# Altium PCB NANOEveryV3.0.PcbDoc (continued)
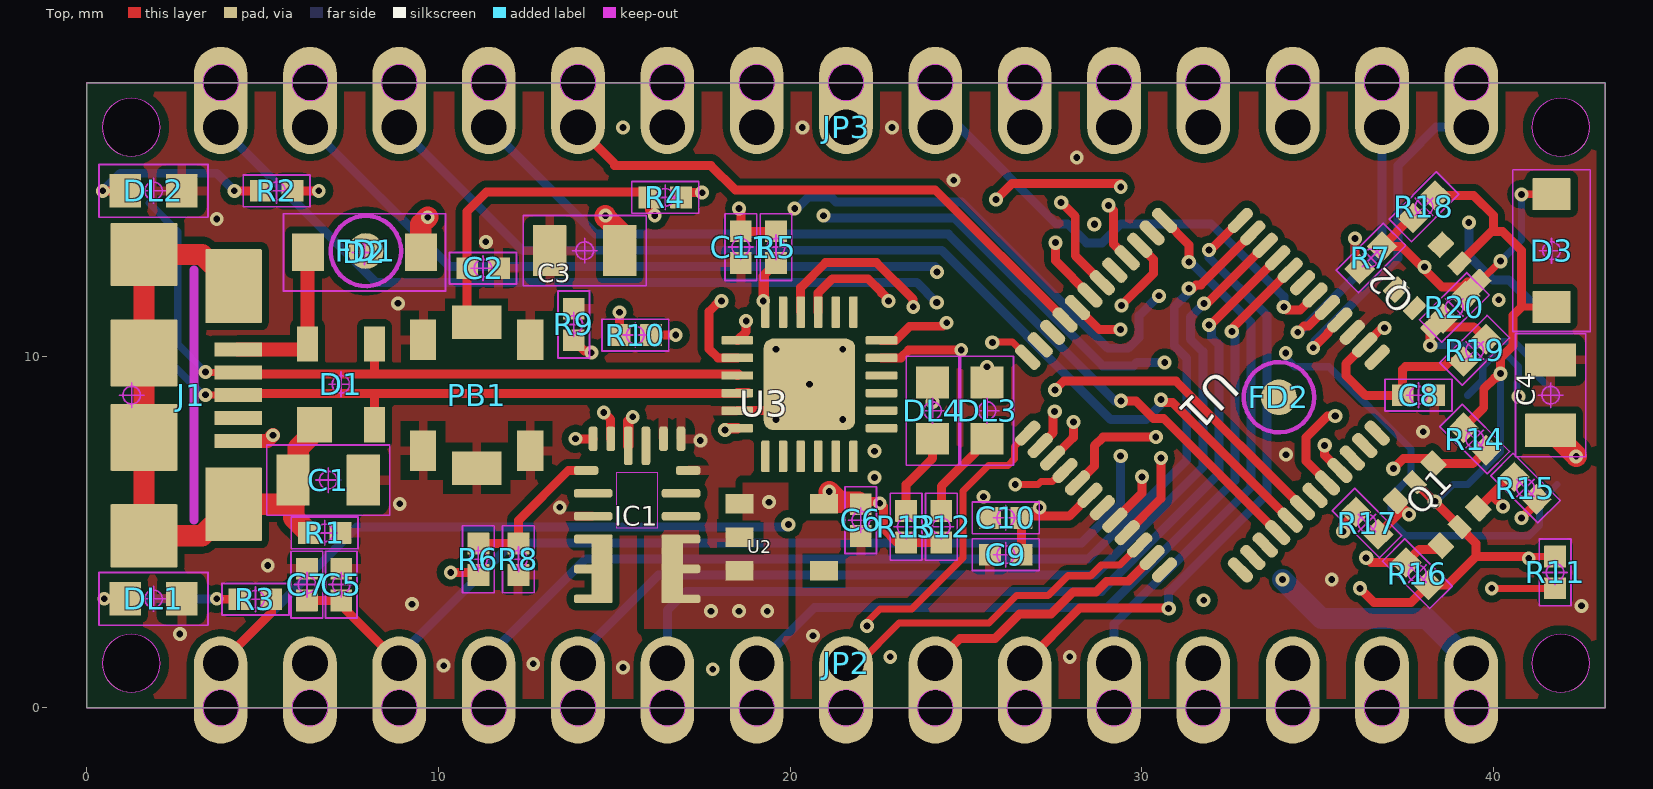
[diagram p0: Top view]
## Footprints (in the part's own frame and the unit in brackets; to place one, negate y for a bottom-side part, rotate by r counter-clockwise, add the part's x,y. Pads: shape width x height; smd on the part's side, far side on the other; paste and mask are expansions set on the pad) (continued)
FRAME [mm] "FRAME"
HVQFN24 [mm] "HVQFN24"
  rrect30% 0.24x0.9 smd paste+0 mask+0: 1(-1.25,-2.05) 2(-0.75,-2.05) 3(-0.25,-2.05) 4(0.25,-2.05) 5(0.75,-2.05) 6(1.25,-2.05) 13(1.25,2.05) 14(0.75,2.05) 15(0.25,2.05) 16(-0.25,2.05) 17(-0.75,2.05) 18(-1.25,2.05)
  rrect30% 0.9x0.24 smd paste+0 mask+0: 7(2.05,-1.25) 8(2.05,-0.75) 9(2.05,-0.25) 10(2.05,0.25) 11(2.05,0.75) 12(2.05,1.25) 19(-2.05,1.25) 20(-2.05,0.75) 21(-2.05,0.25) 22(-2.05,-0.25) 23(-2.05,-0.75) 24(-2.05,-1.25)
  rrect20% 2.6x2.6 smd paste+0 mask+0: EXP(0,0)
  body extent -2.5,-2.5 2.5,2.5, height 3.81
LEDC1608X80N-AK [mil] "LEDC1608X80N-AK"
  rrect3% 35.43x37.4 smd: A(31.5,0) C(-31.5,0)
  Top keep-out circle w1.97: c0,0 r9.84
  Top keep-out lines w1.97: 13.78,0 -13.78,0 ; 0,13.78 0,-13.78 ; 61.02,29.53 -61.02,29.53 -61.02,-29.53 61.02,-29.53 61.02,29.53
  body extent -62,-31 62,31, height 150
MPM3610 [mm] "MPM3610"
  rrect60% 0.7x0.25 smd mask+0: 1(-1.45,1.55) 4(-1.45,-0.4) 5(-1.45,-1.25) 6(-1.45,-2.1) 7(1.45,-2.1) 8(1.45,-1.25) 9(1.45,-0.4) 12(1.45,1.55)
  rrect60% 1.1x0.25 smd mask+0: 2(-1.25,0.9) 3(-1.25,0.25) 10(1.25,0.25) 11(1.25,0.9)
  rrect60% 0.25x0.7 smd mask+0: 13(1.25,2.45) 14(0.75,2.45) 17(-0.75,2.45) 18(-1.25,2.45)
  rrect60% 0.25x1.1 smd mask+0: 15(0.25,2.25) 16(-0.25,2.25)
  rrect10% 0.6x1.95 smd: 19(-1,-1.25) 20(1,-1.25)
  Top keep-out region: -0.575,-0.1 -0.575,1.5 0.575,1.5 0.575,-0.1
  body extent -1.82,-2.27 1.82,2.82, height 3.81
SODFL3517X110N [mm] "SODFL3517X110N"
  rrect2% 0.91x1.07 smd: A(1.605,0) C(-1.605,0)
  Top keep-out circle w0.05: c0,0 r0.25
  Top keep-out lines w0.05: 0.35,0 -0.35,0 ; 0,0.35 0,-0.35 ; 2.3,1.1 2.3,-1.1 -2.3,-1.1 -2.3,1.1 2.3,1.1
  body extent -2.33,-1.13 2.33,1.13, height 3.81
SOT25 [mil] "SOT25"
  rect 21.65x31.5 smd: 1(37.4,47.24) 2(0,47.24) 3(-37.4,47.24) 4(-37.4,-47.24) 5(37.4,-47.24)
  body extent -48,-63 48,63, height 50
SOT190P230X110-4N [mm] "SOT190P230X110-4N"
  rrect3% 1x1 smd: 1(-1.15,0.75)
  rrect3% 1x0.6 smd: 2(-1.15,-0.95) 3(1.15,-0.95) 4(1.15,0.95)
  Top keep-out circle w0.05: c0,0 r0.25
  Top keep-out lines w0.05: 0,0.35 0,-0.35 ; -0.35,0 0.35,0
  body extent -1.65,-1.46 1.65,1.46, height 3.81
SOT363 [mm] "SOT363"
  rrect10% 0.5x0.6 smd: 1(-0.75,-0.9) 3(0.75,-0.9) 4(0.75,0.9) 6(-0.75,0.9)
  rrect10% 0.4x0.6 smd: 2(0,-0.9) 5(0,0.9)
  body extent -1,-1.2 1,1.2, height 1.27
TP-1.00MM [mm] "TP-1.00MM"
  rrect100% 1x1 smd far side paste+0: X(0,0)
  body extent -0.51,-0.51 0.51,0.51, height 1.27
TQFP48 [mm] "TQFP48"
  rrect80% 0.85x0.32 smd: 1(-4.275,2.75) 2(-4.275,2.25) 3(-4.275,1.75) 4(-4.275,1.25) 5(-4.275,0.75) 6(-4.275,0.25) 7(-4.275,-0.25) 8(-4.275,-0.75) 9(-4.275,-1.25) 10(-4.275,-1.75) 11(-4.275,-2.25) 12(-4.275,-2.75) 25(4.275,-2.75) 26(4.275,-2.25) 27(4.275,-1.75) 28(4.275,-1.25) 29(4.275,-0.75) 30(4.275,-0.25) 31(4.275,0.25) 32(4.275,0.75) 33(4.275,1.25) 34(4.275,1.75) 35(4.275,2.25) 36(4.275,2.75)
  rrect80% 0.32x0.85 smd: 13(-2.75,-4.275) 14(-2.25,-4.275) 15(-1.75,-4.275) 16(-1.25,-4.275) 17(-0.75,-4.275) 18(-0.25,-4.275) 19(0.25,-4.275) 20(0.75,-4.275) 21(1.25,-4.275) 22(1.75,-4.275) 23(2.25,-4.275) 24(2.75,-4.275) 37(2.75,4.275) 38(2.25,4.275) 39(1.75,4.275) 40(1.25,4.275) 41(0.75,4.275) 42(0.25,4.275) 43(-0.25,4.275) 44(-0.75,4.275) 45(-1.25,4.275) 46(-1.75,4.275) 47(-2.25,4.275) 48(-2.75,4.275)
  body extent -4.71,-4.71 4.71,4.71, height 3.81
ZX62-AB-5PA [mm] "ZX62-AB-5PA"
  rrect3% 0.4x1.35 smd: 1(-1.3,3.025) 2(-0.65,3.025) 3(0,3.025) 4(0.65,3.025) 5(1.3,3.025)
  rrect3% 2.1x1.6 smd: 6(3.1,2.9) 11(-3.1,2.9)
  rrect3% 1.8x1.9 smd: 7(4,0.35) 10(-4,0.35)
  rrect3% 1.9x1.9 smd: 8(1.2,0.35) 9(-1.2,0.35)
  Top keep-out circle w0.05: c0,0 r0.25
  Top keep-out lines w0.05: 0,-0.35 0,0.35 ; 0.35,0 -0.35,0
  Top keep-out lines w0.254: 3.556,1.778 -3.556,1.778
  body extent -4.9,-2.41 4.9,3.7, height 3.81

## Part data
C1 C3 C4: library part 0805-R2013X50N, PackageName=0805-R2013X50N
C2 C5 C6 C7 C8 C9 C10 C11 R1 R2 R3 R4 R5 R6 R7 R8 R9 R10 R11 R12 R13 R14 R15 R16 R17 R18 R19 R20: library part 0402-1005X55N, PackageName=0402-1005X55N
D1: library part SOT190P230X110-4N, PackageName=SOT190P230X110-4N
D2 D3: library part SODFL3517X110N, PackageName=SODFL3517X110N
D+ D-: library part TP-1.00MM, PackageName=TP-1.00MM
DL1 DL2 DL3 DL4: library part LEDC1608X80N-AK, PackageName=LEDC1608X80N-AK
FD1 FD2: library part FD-1-1.5, PackageName=FD-1-1.5
FRAME1: library part FRAME, PackageName=FRAME
J1: library part ZX62-AB-5PA, PackageName=ZX62-AB-5PA
J2: library part 2X03-TP, PackageName=2X03-TP
JP2 JP3: library part 1X15-CASTELL, PackageName=1X15-CASTELL
PB1: library part C&K_PTS820_NO_HOLES, PackageName=C&K_PTS820_NO_HOLES
Q1 Q2: library part SOT363, PackageName=SOT363
U1: library part TQFP48, PackageName=TQFP48
U2: library part SOT25, PackageName=SOT25
U3: library part HVQFN24, PackageName=HVQFN24
IC1: PackageName=MPM3610

## Free pads (board coordinates)
  round 1.651 hole 1.651 unplated: MH1(1.27,16.51) MH2(1.27,1.27) MH3(41.91,1.27) MH4(41.91,16.51)
  round 1.016 hole 1.016 unplated: MH1(3.81,17.78) MH1(39.37,0) MH2(6.35,17.78) MH2(36.83,0) MH3(8.89,17.78) MH3(34.29,0) MH4(11.43,17.78) MH4(31.75,0) MH5(13.97,17.78) MH5(29.21,0) MH6(16.51,17.78) MH6(26.67,0) MH7(19.05,17.78) MH7(24.13,0) MH8(21.59,0) MH8(21.59,17.78) MH9(19.05,0) MH9(24.13,17.78) MH10(16.51,0) MH10(26.67,17.78) MH11(13.97,0) MH11(29.21,17.78) MH12(11.43,0) MH12(31.75,17.78) MH13(8.89,0) MH13(34.29,17.78) MH14(6.35,0) MH14(36.83,17.78) MH15(3.81,0) MH15(39.37,17.78)

## Via types
v1: diameter 0.393/0.393/0.393/0.393 (per signal layer), hole 0.19, Top to Bottom, 87 vias
v2: diameter 0.403/0.403/0.403/0.403 (per signal layer), hole 0.2, Top to Bottom, 46 vias

## Nets (pads, with @x,y where several pads share a name; then routed paths per layer and width w, separated by ;. In a path a pad name is that pad's centre, name@x,y a point inside that pad or via, vN(x,y) a via of type N, cw(c..) or ccw(c..) an arc to the next point about the centre after c; other vN are vias at no path point)
+3V3: C6.1 C11.2 D3.C J2.1 JP2.2 Q1.2 Q1.5 Q2.2 R2.2 R5.2 R11.1 R12.2 R13.2 R14.2 R16.2 R18.2 U2.5 U3.24 | length 84.5
  Top w0.203: v2@38.24,5.94 38.257,5.94 v2(38.332,5.865) ; 40.8,11.4 40.805,11.395 D3.C ; v1(41,4.25) 41.05,4.3 R11.1
  Top w0.254: R2.2 v1(6.6,14.7) ; v1(18.55,14.2) 18.6,14.15 C11.2 R5.2 ; U2.5@20.963,5.8 21.112,5.95 v1(21.112,6.15) ; C6.1@22.01,5.787 22.01,5.869 22.5,5.869 v1(22.55,5.819) 22.65,5.719 22.65,5.1 23.05,4.7 R13.2 R12.2 ; v2(36.2,3.4) 36.6,3 37.657,3 R16.2 38.696,3.497 39.5,4.3 ; Q1.5 38.24,5.94 Q1.2 39.5,4.68 39.5,4.3 ; R18.2 39.434,14.566 40,14 40,13.6 39.95,13.55 ; Q2.2 39.95,13.55 ; R14.2 39.723,8.539 39.723,9.068 40.032,9.377 40.077,9.377 v2(40.2,9.5) 40.2,9.95 40.55,10.3 40.55,11.15 40.8,11.4 40.8,13 40.25,13.55 39.95,13.55 ; v1(41,4.25) 40.95,4.3 39.5,4.3
  Top w0.305: v1(18.15,7.9) 18.1,7.9 18.15,7.95 U3.24
  Top w0.61: v1(21.112,6.15) 21.412,5.85 21.947,5.85 C6.1@22.01,5.787
  PWR w0.254: v1(6.6,14.7) 9.452,11.848 14.752,11.848 ; 16.392,11.955 18.55,14.113 v1(18.55,14.2) ; v1(31.758,3.057) 31.8,3.015 35.815,3.015 v2(36.2,3.4)
  PWR w0.61: JP2.2 13.265,8.185 13.265,10.361 14.752,11.848 14.858,11.955 16.392,11.955 17.455,10.892 17.455,8.796 18.15,8.1 v1(18.15,7.9) 18.346,7.9 20.046,6.2 21.062,6.2 v1(21.112,6.15)
  MID w0.254: v1(22.55,5.819) 22.6,5.819 24.848,3.571 31.329,3.571 31.758,3.142 v1(31.758,3.057)
  Bottom w0.203: v2(38.332,5.865) 38.365,5.865 38.85,6.35 J2.1 40.2,7.282 v2(40.2,9.5)
+5V: C3.1 C8.2 C9.2 C10.2 D2.C IC1.7 IC1.8 IC1.9 IC1.20 JP2.12 R4.2 R6.2 R15.2 R17.2 R19.2 U1.14 U1.28 U1.42 U2.1 U2.3 | length 17.3
  Top w0.254: v1(10.35,3.85) 11.062,3.85 R6.2 ; R4.2 17.038,14.65 v1(17.5,14.65) ; C9.2 C10.2 ; U1.42@28.525,6.044 27.931,5.45 27.15,5.45 ; v2(29.05,14.289) 29.2,14.139 29.2,13.183 U1.28 ; v2(35.727,5.017) 35.727,5.213 R17.2 ; v2(36.9,10.8) 36.817,10.8 U1.14 35.8,9.783 35.8,9.45 36.373,8.878 37.405,8.878 C8.2 37.418,9.617 37.5,9.7 38.6,9.7 38.746,9.847 R19.2 ; v2(40.8,5.4) 41.227,5.827 R15.2 ; C10.2 26.806,5.403 v1(27.1,5.697) 27.15,5.647 27.15,5.45 ; C10.2 26.583,5.45 27.15,5.45
  Top w0.61: D2.C 9.505,13.755 v1(9.7,13.95) ; v1(14.75,13.995) 14.75,13.95 15.163,13.537 C3.1
  other v1: 17.75,2.75 18.55,2.75 19.35,2.75 19.4,5.85
A0: JP2.4 U1.23 | length 30.1
  Top w0.254: v2(31.338,11.924) 31.443,11.924 31.546,12.027 31.68,12.027 U1.23
  Bottom w0.254: JP2.4 11.43,1.488 14.171,4.229 28.47,4.229 31.278,7.037 31.278,9.939 30.923,10.294 30.923,11.404 31.409,11.891 31.371,11.891 v2(31.338,11.924)
A1: JP2.5 U1.22 | length 27.6
  Top w0.254: v2(31.766,11.496) 31.783,11.513 31.873,11.513 U1.22
  Bottom w0.254: JP2.5 13.97,1.488 16.254,3.772 28.659,3.772 31.735,6.848 31.735,10.128 31.38,10.483 31.38,11.109 v2(31.766,11.496)
A2: JP2.6 U1.21 | length 25.9
  Top w0.254: v2(31.912,10.889) 31.956,10.889 U1.21
  Bottom w0.254: JP2.6 16.51,2.774 17.05,3.314 28.849,3.314 32.192,6.658 32.192,10.317 31.986,10.523 31.986,10.815 v2(31.912,10.889)
A3: JP2.7 U1.20 | length 22.5
  Top w0.254: v2(32.558,10.703) 32.537,10.724 32.537,10.763 U1.20
  Bottom w0.254: JP2.7 19.113,1.27 20.7,2.857 29.038,2.857 32.65,6.469 32.65,10.612 v2(32.558,10.703)
A4/SDA: JP2.8 U1.36 U1.46 | length 22.8
  Top w0.203: JP2.8 21.961,1.27 23.1,2.409 25.653,2.409 26.44,3.196 27.338,3.196 27.796,3.654 27.9,3.757 28.547,3.757 28.847,4.057 29.367,4.057 U1.46 ; v2(25.75,10.391) 25.75,10.4 26.326,10.4 U1.36@26.758,9.968
  PWR w0.203: v2(22.4,6.55) 23.65,6.55 26.101,9.002 26.101,9.908 25.75,10.259 v2(25.75,10.391)
  MID w0.203: JP2.8 21.59,5.768 22.142,6.321 22.171,6.321 v2(22.4,6.55)
A5/SCL: JP2.9 U1.37 U1.47 | length 18.1
  Top w0.203: v2(22.185,2.325) 22.185,2.365 22.148,2.402 22.56,2.815 23.461,2.815 24.915,4.269 24.915,6.165 25,6.25 25.075,6.325 25.645,6.895 26.193,6.895 26.38,7.082 26.38,7.434 U1.37@26.758,7.812
  Top w0.254: JP2.9 24.837,1.977 25.832,1.977 26.528,2.672 27.426,2.672 28.054,3.3 28.7,3.3 29,3.6 29.617,3.6 U1.47
  MID w0.203: v2(22.185,2.325) 22.559,1.951 23.058,1.951 23.739,1.27 JP2.9
A6: JP2.10 U1.24 | length 18
  Top w0.254: JP2.10 28.243,2.843 30.765,2.843 v2(30.765,2.823) ; v2(31.911,13.02) 31.966,13.02 U1.24
  Bottom w0.254: v2(30.765,2.823) 30.765,3.291 33.564,6.09 33.564,11.146 31.911,12.799 v2(31.911,13.02)
A7: JP2.11 U1.25 | length 15.3
  Top w0.254: U1.25 31.338,13.167 v2(31.338,12.675)
  Bottom w0.254: JP2.11 29.21,2.383 33.107,6.279 33.107,10.957 31.389,12.675 v2(31.338,12.675)
AREF: C5.1 C7.1 JP2.3 U1.27 | length 34.5
  Top w0.254: C7.1 C5.1 7.237,2.923 JP2.3 ; v2(29.42,11.44) 30.327,12.347 30.327,12.749 29.939,13.136 U1.27
  MID w0.254: v2(29.4,7.16) 28.63,7.93 28.63,10.75 29.32,11.44 v2(29.42,11.44)
  Bottom w0.254: JP2.3 8.89,1.488 12.088,4.686 28.281,4.686 29.4,5.805 v2(29.4,7.16)
D2: JP3.5 U1.44 | length 11.9
  Top w0.254: U1.44 30,6.104 30,6.56 v2(30.01,6.57)
  MID w0.254: JP3.5 29.96,15.76 29.96,8.006 29.873,7.92 29.873,7.483 29.96,7.396 29.96,6.62 v2(30.01,6.57)
D3~: JP3.6 U1.39 | length 10.2
  Top w0.254: U1.39 28.03,7.67 28.04,7.67 28.06,7.69 v2(28.06,8.13)
  MID w0.254: JP3.6 26.67,12.654 28.06,11.263 v2(28.06,8.13)
D4: JP3.7 U1.18 | length 13.7
  Top w0.254: v2(34.038,11.395) 34.12,11.312 34.501,11.312 U1.18@34.925,11.736
  Bottom w0.254: JP3.7 24.82,16.51 27.573,13.757 27.891,13.757 28.43,13.218 28.87,13.218 29.409,13.757 31.971,13.757 34.038,11.69 v2(34.038,11.395)
D5~: JP3.8 U1.6 | length 18.9
  Top w0.254: v2(27.528,9.04) 27.782,9.294 30.968,9.294 U1.6
  MID w0.254: JP3.8 22.119,16.51 27.478,11.151 27.478,9.09 v2(27.528,9.04)
D6~: JP3.9 U1.38 | length 14.3
  Top w0.254: U1.38 27.48,7.827 27.48,8.428 v2(27.523,8.428)
  MID w0.254: JP3.9 20.149,15.411 22.57,15.411 26.996,10.984 26.996,8.805 27.373,8.428 v2(27.523,8.428)
D7: JP3.10 U1.45 | length 23.1
  Top w0.254: U1.45 29.586,4.997 30.542,5.953 v2(30.542,7.1)
  MID w0.254: JP3.10 17.41,16.51 18.967,14.953 22.38,14.953 26.539,10.794 26.539,8.46 28.961,6.038 30.23,6.038 30.542,6.35 30.542,6.79 30.54,6.792 30.54,7.06 30.542,7.062 v2(30.542,7.1)
D8: JP3.11 U1.33 | length 16.2
  Top w0.254: JP3.11 15,15.48 15,15.418 17.75,15.418 18.441,14.727 24.12,14.727 U1.33
D9~: JP3.12 U1.4 | length 27.2
  Top w0.254: v2(29.41,8.73) 29.83,8.73 30.33,8.23 30.617,8.23 U1.4
  Bottom w0.254: JP3.12 14.472,13.468 24.499,13.468 29.237,8.73 v2(29.41,8.73)
D10~: JP3.13 U1.5 | length 30.5
  Top w0.254: v2(30.55,8.762) 30.625,8.687 30.867,8.687 U1.5
  Bottom w0.254: JP3.13 12.389,13.011 24.31,13.011 29.122,8.198 30.118,8.198 30.55,8.63 v2(30.55,8.762)
D11_RESET: J2.6 R5.1 U3.18 | length 29.6
  Top w0.203: U3.18 19.3,12.35 R5.1
  Top w0.254: v1(19.236,11.569) 19.236,12.285 R5.1 ; v1(25.853,14.453) 26.305,14.905 29.4,14.905 v1(29.4,14.807)
  PWR w0.254: v1(19.236,11.569) 19.236,12.839 19.613,13.216 24.616,13.216 v1(25.853,14.453) ; v1(29.4,14.807) 30.057,14.807 30.207,14.957 33.339,14.957 34.297,14 39.1,14 v1(39.3,13.8)
  Bottom w0.254: v1(39.3,13.8) 39.3,12.85 39.668,12.482 39.668,12.48 39.98,12.168 40.432,12.168 41.17,11.43 J2.6
D11_SWCLK: J2.3 R11.2 U3.19 | length 39.6
  Top w0.203: v1(39.952,3.398) 41.747,3.398 R11.2@41.75,3.4
  Top w0.254: U3.19 18.75,10.7 v1(18.75,11)
  PWR w0.203: v1(30.65,9.82) 31.62,8.85 v2(40.706,8.85) 41.74,7.816 41.74,4.053 41.038,3.35 40.05,3.35 40.002,3.398 v1(39.952,3.398)
  PWR w0.254: v1(18.75,11) 18.65,11.1 18.65,12.9 19.423,13.673 20.629,13.673 v1(20.95,13.995)
  Bottom w0.203: J2.3 39.694,9.315 39.694,9.71 39.99,10.006 40.41,10.006 40.706,9.71 40.706,9.29 40.666,9.25 40.666,8.89 v2(40.706,8.85)
  Bottom w0.254: v1(20.95,13.995) 20.95,13.975 21,13.925 24.689,13.925 28.889,9.724 29.764,9.724 29.86,9.82 v1(30.65,9.82)
D11_SWDIO: J2.2 U3.20 | length 37.5
  Top w0.254: v1(18.05,11.569) 18,11.569 17.7,11.269 17.7,10.2 17.953,9.947 18.3,9.947 18.303,9.95 U3.20
  PWR w0.254: v1(18.05,11.569) 18.05,12.947 19.303,14.2 v1(20.13,14.2) ; v1(30.487,11.713) 30.45,11.676 30.45,10.8 31.16,10.09 v1(34.091,10.09)
  Bottom w0.203: v1(34.091,10.09) 34.091,9.959 34.35,9.7 35.318,9.7 37.657,7.362 37.657,6.59 37.094,6.027 37.094,5.29 37.49,4.894 41.01,4.894 41.306,5.19 41.306,5.848 J2.2
  Bottom w0.254: v1(20.13,14.2) 20.2,14.2 20.521,14.521 21.168,14.521 21.307,14.382 24.878,14.382 29.036,10.225 29.614,10.225 29.926,10.536 29.926,11.152 v1(30.487,11.713)
GND: C1.2 C2.2 C3.2 C4.2 C5.2 C6.2 C7.2 C8.1 C9.1 C10.1 C11.1 DL1.C DL2.C IC1.3 IC1.12 IC1.13 IC1.14 J1.5 J2.5 JP2.14 JP3.4 PB1.1 PB1.2 PB1.3 PB1.4 PB1.5 R1.1 R8.1 R9.1 U1.15 U1.29 U1.43 U2.2 U3.23 U3.EXP | length 3.4
  Top w0.254: U3.23 19.8,8.45 v1(20.55,9.2)
  Top w0.406: J1.5 5.14,7.59 v1(5.3,7.75)
  other v1: 17.8,1.1 15.25,1.15 10.15,1.2 12.7,1.25 22.85,1.45 27.95,1.45 20.65,2.05 2.65,2.1 42.5,2.9 9.25,2.95 35.4,3.65 5.15,4.05 13.45,5.7 8.9,5.8 25.5,6 34.1,7.2 22.4,7.3 17.45,7.6 38,7.85 19.6,8.2 21.5,8.2 19.6,10.2 21.5,10.2 8.85,11.5 40.15,11.6 11.35,13.25 3.7,13.9 24.65,15 28.15,15.65 15.25,16.5 20.35,16.5 22.9,16.5
  other v2: 28.65,13.75
MISO: JP3.15 U1.31 | length 28.9
  Top w0.254: v2(27.547,13.225) 27.547,12.714 U1.31@28.525,11.736
  PWR w0.254: v2(24.17,11.522) 24.506,11.857 27.099,11.857 27.547,12.305 v2(27.547,13.225)
  Bottom w0.254: JP3.15 8.224,12.096 23.595,12.096 v2(24.17,11.522)
MOSI: JP3.14 U1.30 | length 27.4
  Top w0.254: v2(27.709,14.373) 28.109,13.973 28.109,12.86 U1.30
  PWR w0.254: v2(24.179,12.389) 24.279,12.489 26.915,12.489 26.915,13.445 27.709,14.239 v2(27.709,14.373)
  Bottom w0.254: JP3.14 10.307,12.553 24.117,12.553 24.23,12.44 v2(24.179,12.389)
N$1: C1.1 D1.1 J1.6 J1.7 J1.8 J1.9 J1.10 J1.11 R1.2 | length 19.1
  Top w0.61: J1.11 3.28,12.89 J1.10 J1.9 J1.8 J1.7 3.28,4.89 J1.6 C1.1@5.89,5.79 ; R1.2 5.89,5.403 C1.1@5.89,5.79 ; D1.1 6.48,7.85 6.018,7.388 6.018,6.625 C1.1 5.867,5.833 5.9,5.8 C1.1@5.89,5.79
N$2: DL2.A R2.1 | length 5.6
  Top w0.254: v1(0.456,14.7) DL2.A ; v1(4.2,14.7) R2.1
  Bottom w0.254: v1(0.456,14.7) 0.956,15.2 3.7,15.2 v1(4.2,14.7)
N$3: DL1.A R3.1 | length 4.5
  Top w0.254: v1(0.5,3.1) DL1.A ; v1(3.7,3.1) 3.712,3.088 R3.1
  Bottom w0.254: v1(0.5,3.1) v1(3.7,3.1)
N$5: IC1.1 R6.1 R8.2 | length 4.3
  Top w0.254: R6.1 R8.2 12.275,5.325 13.7,6.75 IC1.1@14.2,6.75
N$6: IC1.18 R9.2 | length 3.8
  Top w0.254: R9.2 14.15,10.15 14.35,10.15 v1(14.35,10.1) ; v1(13.9,7.65) IC1.18
  PWR w0.254: v1(13.9,7.65) 13.9,9.65 v1(14.35,10.1)
N$7: IC1.17 R10.1 | length 4.5
  Top w0.254: v1(14.7,8.4) 14.9,8.2 IC1.17 ; R10.1@15.15,10.6 v1(15.15,11.25)
  PWR w0.254: v1(14.7,8.4) 15.15,8.85 v1(15.15,11.25)
N$11: DL3.A R12.1 | length 2.6
  Top w0.254: R12.1 24.3,6.3 25.6,7.6 DL3.A
N$12: DL4.A R13.1 | length 2.4
  Top w0.254: R13.1 23.3,6.35 24.05,7.1 DL4.A
RESETN: C2.1 JP2.13 JP3.3 PB1.6 R4.1 U1.40 | length 61.3
  Top w0.203: v1(26.4,6.35) 27.044,6.35 27.133,6.439 27.457,6.439 27.769,6.751 U1.40
  Top w0.254: PB1.6 10.82,11.235 C2.1 10.82,14.12 11.362,14.662 15.85,14.662 R4.1 16,14.15 v1(16.15,14)
  MID w0.254: v1(16.15,14) 16.477,13.673 18.768,13.673 18.77,13.675 18.875,13.675 23.523,9.027 23.523,8.382 25.305,6.6 26.15,6.6 v1(26.4,6.35) 26.4,5.652 28.024,4.028 31.532,4.028 32.76,2.8 34.3,2.8 ; JP2.13 34.3,1.28 34.3,2.8 ; JP3.3 35.5,15.3 38.95,15.3 41.527,12.723 41.527,3.877 40.45,2.8 34.3,2.8
RX0: Q1.6 R17.1 U1.9 | length 6.9
  Top w0.254: v2(35.2,7.465) 35.2,7.183 U1.9 ; R17.1 37.396,5.61 v2@37.51,5.61 ; Q1.6 v2@37.51,5.61 ; v2(37.6,5.5) 37.6,5.519 v2@37.51,5.61
  MID w0.254: v2(35.2,7.465) 37.335,7.465 37.6,7.2 37.8,7 37.8,5.7 v2(37.6,5.5)
RX1: JP3.2 U1.17 | length 8
  Top w0.254: v1(34.431,10.681) 34.605,10.855 34.737,10.855 35.264,11.383 U1.17
  Bottom w0.254: v1(34.431,10.681) 34.481,10.681 36.83,13.03 JP3.2
RX_D11: DL3.C Q1.4 R14.1 U3.16 | length 26.7
  Top w0.254: U3.16 20.3,11.95 21.007,12.657 22.457,12.657 23.5,11.614 v1(23.5,11.4) ; DL3.C v1(25.6,9.7) ; v2(37.15,6.8) 37.442,7.092 38.149,7.092 Q1.4 39.404,6.947 R14.1@39.783,7.326
  MID w0.254: v1(23.5,11.4) 23.521,11.379 23.521,10.771 25.6,8.691 ; v1(25.6,9.7) 25.6,8.691 ; v2(37.15,6.8) 36.757,6.8 34.9,4.943 29.349,4.943 25.6,8.691
RX_UPDI: R7.2 U3.12 | length 16.7
  Top w0.254: U3.12 23,10.45 23.4,10.85 24.35,10.85 v1(24.45,10.95) ; v2(36.058,13.348) 36.058,12.615 R7.2
  PWR w0.254: v1(24.45,10.95) 24.9,11.4 27.3,11.4 30.4,14.5 33.15,14.5 34.377,13.273 36.1,13.273 36.058,13.316 v2(36.058,13.348)
SCK: JP2.1 R3.2 U1.32 | length 35.7
  Top w0.254: JP2.1 5.25,2.71 R3.2 ; U1.32 28.798,10.756 v2(29.394,10.756)
  PWR w0.254: v2(19.95,5.218) 19.998,5.17 27.66,5.17 28.86,6.37 28.86,10.222 v2(29.394,10.756)
  Bottom w0.254: JP2.1 6.37,3.83 6.379,3.83 7.692,5.143 19.875,5.143 v2(19.95,5.218)
TX0: Q1.3 R15.1 U1.8 | length 11
  Top w0.254: U1.8 35.278,6.411 34.668,7.021 34.668,7.685 35.283,8.3 v2(35.5,8.3) ; Q1.3@39.567,5.674 39.896,6.004 ; v2(40.271,5.729) 39.996,6.004 39.896,6.004 ; R15.1 40.461,6.568 39.896,6.004
  MID w0.254: v2(35.5,8.3) 35.9,8.7 37.9,8.7 40.2,6.4 40.2,5.8 v2(40.271,5.729)
TX1: JP3.1 U1.16 | length 9.8
  Top w0.254: v1(34.876,10.236) 35.295,10.654 35.295,10.678 35.632,11.015 U1.16
  Bottom w0.254: v1(34.876,10.236) 34.926,10.286 34.926,10.431 37.287,12.792 37.287,15.423 37.922,16.058 37.922,16.072 38.36,16.51 JP3.1
TX_D11: DL4.C Q1.1 R16.1 U3.15 | length 23.8
  Top w0.254: U3.15 20.8,11.8 21.2,12.2 22.216,12.2 22.6,11.816 22.6,11.8 22.8,11.6 v1(22.8,11.569) ; v1(24.05,8.7) DL4.C ; v2(36.38,4.266) 36.514,4.133 37.517,4.133 37.89,4.506 38.4,4.506 Q1.1
  MID w0.254: v1(22.8,11.569) 22.973,11.396 22.973,10.572 24.05,9.495 ; v1(24.05,8.7) 24.05,9.495 ; v2(36.38,4.266) 36.161,4.485 29.059,4.485 24.05,9.495
TX_UPDI: D3.A Q2.1 R7.1 R18.1 R20.1 U3.11 | length 27
  Top w0.203: R20.1 39.204,11.743 39.567,12.106 39.606,12.106 v2(40.2,12.7) ; v2(40.8,14.6) 40.805,14.605 D3.A
  Top w0.254: U3.11 23.15,9.95 23.373,10.173 v1(24.867,10.173) ; R18.1@37.705,13.929 37.65,13.929 R7.1 37.388,13.112 v2@38,12.5 ; v2(38.038,12.538) v2@38,12.5 ; Q2.1@39.567,12.106 39.256,12.106 39.111,11.961 38.539,11.961 v2@38,12.5
  PWR w0.254: v1(24.867,10.173) 24.867,10.573 25.217,10.923 27.47,10.923 30.589,14.043 32.961,14.043 34.187,12.816 37.76,12.816 v2(38.038,12.538)
  Bottom w0.203: v2(40.2,12.7) 40.8,13.3 v2(40.8,14.6)
UPDI: J2.4 Q2.6 R19.1 R20.2 U1.41 | length 19
  Top w0.203: Q2.6 38.333,10.833 R20.2
  Top w0.254: U1.41 28.65,6.876 28.65,7.45 28.9,7.7 29.188,7.7 29.19,7.698 29.63,7.698 29.632,7.7 v1(30.4,7.701) v1(30.4,7.701) ; v2(38.2,10.3) 38.2,10.739 Q2.6 39.432,10.833 R19.1@39.783,10.483
  MID w0.254: v1(30.4,7.701) 33.087,7.701 35.403,10.018 37.917,10.018 v2(38.2,10.3)
  Bottom w0.203: v2(38.2,10.3) 39.709,10.3 39.822,10.413 40.578,10.413 41.113,9.878 41.113,9.586 J2.4
USB_N: D1.3 D-.X J1.2 U3.21 | length 21.6
  Top w0.203: v1(3.382,9.55) 3.35,9.55 3.36,9.54 J1.2
  Top w0.254: J1.2 4.355,9.49 8.2,9.49 ; D1.3 8.18,9.51 8.2,9.49 ; U3.21 18.54,9.49 8.2,9.49
  Bottom w0.203: D-.X 2.59,13.539 2.59,10.342 v1(3.382,9.55)
USB_P: D1.2 D+.X J1.3 U3.22 | length 20.3
  Top w0.203: v1(3.382,8.9) 4.295,8.9 J1.3 ; U3.22 U3.22@18.5,8.971
  Top w0.254: J1.3 4.355,8.94 8.2,8.94 ; D1.2 8.18,8.92 8.2,8.94 ; U3.22@18.5,8.971 18.8,8.971 18.769,8.94 8.2,8.94
  Bottom w0.203: D+.X 1.778,10.422 3.3,8.9 v1(3.382,8.9)
VIN: C4.1 IC1.16 JP2.15 R10.2 | length 39.6
  Top w0.254: R10.2 v1(16.75,10.6)
  Top w0.305: IC1.16 15.4,8.15 15.402,8.148 v1(15.527,8.273)
  Top w0.61: C4.1 42.35,7.165 v1(42.35,7.15)
  PWR w0.254: v1(15.527,8.273) 16.75,9.497 v1(16.75,10.6)
  PWR w0.61: v1(15.527,8.273) 19.3,4.5 33.15,4.5 v1(34,3.65) ; JP2.15 39.82,1.27 42.35,3.8 v1(42.35,7.15)
  Bottom w0.61: v1(34,3.65) 35.11,2.54 38.1,2.54 JP2.15
VUSB: D1.4 D2.A J1.1 | length 4.6
  Top w0.406: J1.1 6.12,10.19 D1.4 6.28,10.95 6.28,12.935 D2.A
pads on no net: FD1.P$1 FD2.P$1 IC1.2 IC1.4 IC1.5 IC1.6 IC1.10 IC1.11 IC1.15 IC1.19 J1.4 Q2.3 Q2.4 Q2.5 U1.1 U1.2 U1.3 U1.7 U1.10 U1.11 U1.12 U1.13 U1.19 U1.26 U1.34 U1.35 U1.48 U2.4 U3.1 U3.2 U3.3 U3.4 U3.5 U3.6 U3.7 U3.8 U3.9 U3.10 U3.13 U3.14 U3.17

## Polygon pours and split planes (outlines as drawn)
+5V on Top "Polygon_2_Net_+5V" (solid, remove dead copper, pour order 3): 15.848,5.052 17.402,5.052 17.402,4.352 19.248,4.352 19.248,5.298 18.648,5.298 18.648,6.402 19.952,6.402 19.952,2.248 15.848,2.248
GND on Top "Polygon_2_Net_GND" (solid, remove dead copper, pour order 4): -0.127,18.127 43.307,18.127 43.307,-0.127 -0.127,-0.127
+5V on PWR "Polygon_1_Net_+5V" (solid, remove dead copper, pour order 1): -0.127,18.127 43.307,18.127 43.307,-0.127 -0.127,-0.127
GND on MID "Polygon_3_Net_GND" (solid, remove dead copper, pour order 0): -0.049,18.127 43.307,18.127 43.307,-0.127 -0.127,-0.127 -0.127,17.816
GND on Bottom "Polygon_1_Net_GND" (solid, remove dead copper, pour order 2): -0.127,18.127 43.307,18.127 43.307,-0.127 -0.127,-0.127 -0.127,17

## Keep-outs
Keep-Out Layer:
  the board outline again, w0.01

## Silkscreen, mask and mechanical layers (free items; w line width, h text height)
Dimension:
  the board outline again, w0.01
bDocu:
  region: 3.6,8.65 3.6,13.65 8.6,13.65 8.6,8.65
test-probe:
  circle w0.61: c27.385,14.725 r0.2
  circle w0.61: c24.845,14.725 r0.2
  circle w0.61: c27.385,10.345 r0.2
  circle w0.61: c24.845,10.345 r0.2
  circle w0.61: c22.305,10.345 r0.2
  circle w0.61: c8.105,11.645 r0.2
  circle w0.61: c8.105,13.945 r0.2
  circle w0.61: c5.705,13.945 r0.2
  circle w0.61: c5.705,11.645 r0.2
  circle w0.61: c14.1,7.945 r0.2
  circle w0.61: c16.505,7.945 r0.2
  text "5V" at 23.05,25.6 h2.76 r90
  text "VIN(5V)" at 25.59,25.6 h2.76 r90
  text "VCC" at 28.13,25.6 h2.76 r90
  text "GND" at 30.67,25.6 h2.76 r90
  text "RESET" at 33.21,25.6 h2.76 r90
  text "14" at 35.75,25.6 h2.76 r90
  text "13" at 38.29,25.6 h2.76 r90
  text "12" at 40.83,25.6 h2.76 r90
  text "11" at 43.37,25.6 h2.76 r90
  text "10" at 45.91,25.6 h2.76 r90
  text "9" at 48.45,25.6 h2.76 r90
  text "8" at 50.99,25.6 h2.76 r90
  text "7" at 53.53,25.6 h2.76 r90
  text "6" at 56.07,25.6 h2.76 r90
  text "SWCLK" at 25.59,15.44 h2.76 r90
  text "SWDIO" at 28.13,15.44 h2.76 r90
  text "USB_5V" at 6,14.8 h2.76 r90
  text "USB_D-" at 9.1,14.7 h2.76 r90
  text "BATT+" at 14.9,8.6 h2.76 r90
  text "BATT-" at 17.4,8.6 h2.76 r90
  text "VTG" at 27.843,5.253 h2.76 r90
  text "JRST" at 25.303,4.05 h2.76 r90
  text "JGND" at 22.763,3.981 h2.76 r90
  text "USB_D+" at 9.1,1.1 h2.76 r90
  text "USB_GND" at 6.2,-1.3 h2.76 r90
  text "4" at 53.38,-1.612 h2.76 r90
  text "0" at 43.22,-1.616 h2.76 r90
  text "1" at 45.78,-1.616 h2.76 r90
  text "2" at 48.336,-1.664 h2.76 r90
  text "3" at 50.84,-1.684 h2.76 r90
  text "5" at 55.885,-1.684 h2.76 r90
  text "A0" at 25.44,-3.313 h2.76 r90
  text "A1" at 28,-3.313 h2.76 r90
  text "A2" at 30.556,-3.292 h2.76 r90
  text "A4" at 35.6,-3.291 h2.76 r90
  text "A3" at 33.06,-3.342 h2.76 r90
  text "A5" at 38.105,-3.342 h2.76 r90
  text "A6" at 40.68,-3.371 h2.76 r90
  text "AREF" at 22.8,-6.395 h2.76 r90

## Dimensions
0,22.75 to 67.6,22.75 on tFinish

## Text inside footprints (layer, text, board x,y; h text height)
FRAME1: Reference "This work is licensed under a Creative Commons Attribution-ShareAlike 4.0 International License." at -78.59,-28.6 h1.28; Reference "ARDUINO and other Arduino brands and logos and Trademarks of Arduino SA. All Arduino SA Trademarks cannot be used without owner's formal permission" at -78.59,-24.1 h1.28; Reference "The product information on the Web Site or Materials is subject to change without notice. Do not finalize a design with this info" at -78.59,-19.599 h1.28; Reference "these for future definition and shall have no responsibility whatsoever for conflicts or incompatibilities arising from future changes to them." at -78.59,-17.349 h1.28; Reference "rely on the absence or characteristics of any features or instructions marked \"reserved\" or \"undefined.\" Arduino SA reserves" at -78.59,-15.099 h1.28; Reference "Arduino SA may make changes to specifications and product descriptions at any time, without notice. The Customer must not" at -78.59,-12.849 h1.28; Reference "REGARDING PRODUCTS, INCLUDING BUT NOT LIMITED TO, ANY IMPLIED WARRANTIES OF MERCHANTABILITY OR FITNESS FOR A PARTICULAR PURPOSE" at -78.59,-8.348 h1.28; Reference "Reference Designs ARE PROVIDED \"AS IS\" AND \"WITH ALL FAULTS. Arduino SA DISCLAIMS ALL OTHER WARRANTIES, EXPRESS OR IMPLIED," at -78.59,-6.098 h1.28